# Allegro board 1119394-C028P02-36-DE2-C01_pcb.brd (continued)
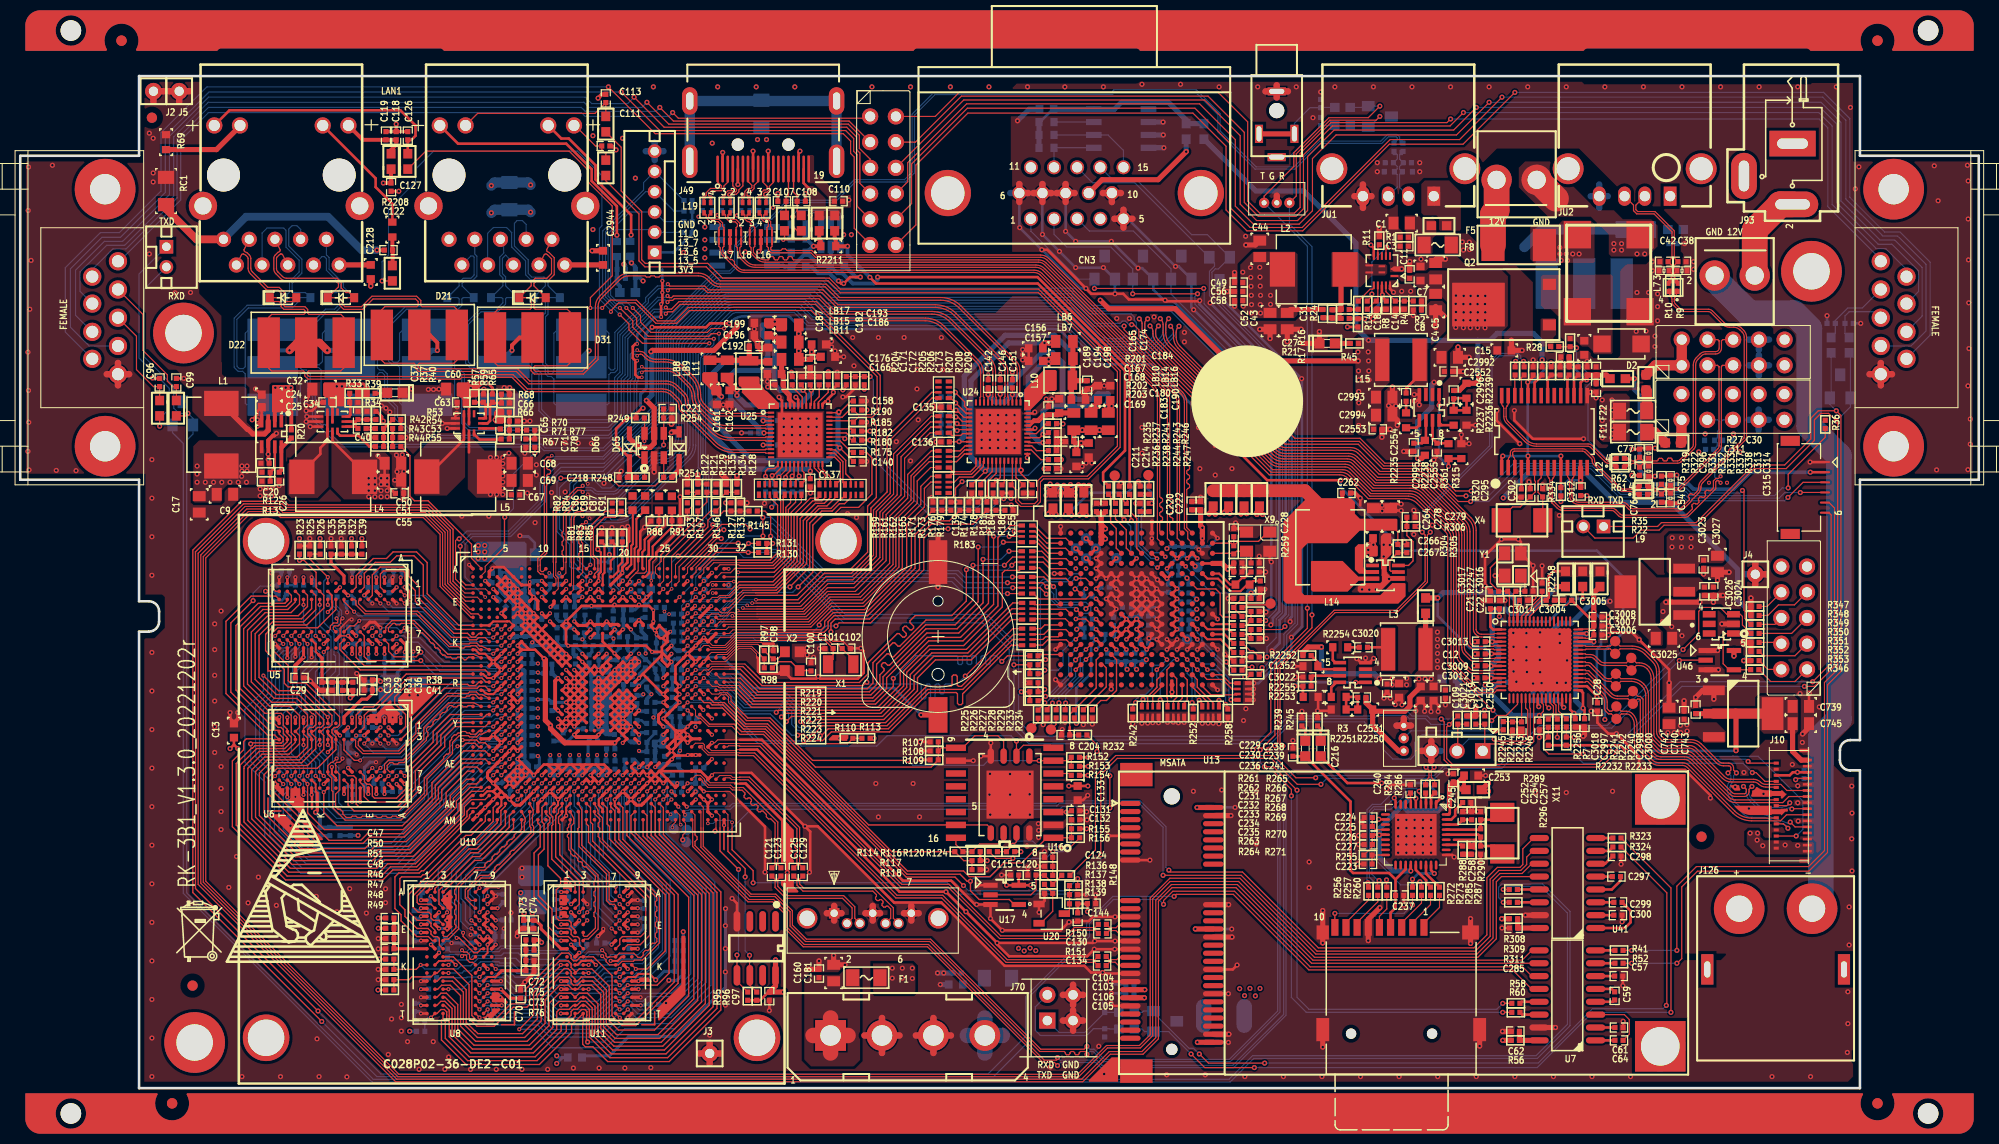
[diagram p0: board, top side]
## Routing (per net, layer and track width the routed paths; a pad name or vN(x,y) marks a point on that pad's centre or on a via; arc(x,y) is an arc through that point) (continued)
N18043628: length 4
  TOP w0.127: U32.T15 116.76,39.7 117.6,38.86 120.15,38.86 RN11.3
N18043630: length 4.1
  TOP w0.127: U32.R15 117.22,40.39 118.75,40.39 119.69,39.44 RN11.2
N18043632: length 2.8
  TOP w0.127: RN11.1 119.5,40.02 118.67,40.85 U32.R16
N18043702: length 6.9
  TOP w0.203: U32.E15 117.26,50.34 118.31,50.34 119.56,49.1 120.52,49.1 121.18,49.76 C236.1 121.78,50.11 C241.2
N18043704: length 4.8
  TOP w0.203: U32.E16 118.42,50.85 119.51,49.76 C236.2 120.66,50.39 120.9,50.39 121.51,51 C239.2
N18043752: length 6.2
  TOP w0.114: RN75.1 100.08,48.87 100.61,48.34
  TOP w0.127: U32.G4 105.25,48.34 100.61,48.34
N18120093: length 1.3
  TOP w0.254: U34.2 139.35,28.81 R286.2
N18120095: length 1.1
  TOP w0.254: U34.3 138.85,29.12 R284.2
N18120101: length 6.8
  TOP w0.254: U34.32 144.02,25.04 R296.2 C258.2 145.6,23.93 X11.2
N18120111: length 6.8
  TOP w0.254: U34.33 144.16,25.54 R296.1 C257.2 145.65,26.52 X11.1
N18120140: length 14.5
  TOP w0.254: D14.A 131.09,30.15 v2(134.47,30.15) ; v2(140.39,28.73) 139.85,28.19 U34.1
  BOTTOM w0.254: v2(140.39,28.73) 138.96,30.15 v2(134.47,30.15)
N18120142: length 1.6
  TOP w0.254: D14.C 128.45,35.48 R245.2
N18120148: length 1.6
  TOP w0.254: R239.2 126.92,35.46 D15.C
N18120154: length 2.7
  TOP w0.254: R287.1 138.85,21.2 U34.25
N18120156: length 15.2
  TOP w0.114: U34.4 138.35,28.94 138.18,29.11 v2(138.18,29.34) ; R256.1 133.12,19.92 v2(133.12,20.29)
  BOTTOM w0.114: v2(138.18,29.34) 137.92,29.59 135.94,29.59 134.39,28.04 133.56,28.04 133.02,27.51 133.02,20.61 133.12,20.52 v2(133.12,20.29)
N18120158: length 14.3
  TOP w0.114: R257.1 134.06,19.89 134.06,20.37 v2(134.21,20.52) ; v2(137.85,28.63) U34.5
  BOTTOM w0.114: v2(134.21,20.52) 134.11,20.52 133.5,21.13 133.5,27.3 133.76,27.56 135.38,27.56 136.6,28.78 136.6,29.11 136.83,29.34 137.41,29.34 137.85,28.91 v2(137.85,28.63)
N18120160: length 2.8
  TOP w0.254: R285.1 138.86,20.29 138.86,20.55 137.85,21.56 U34.23
N18120399: length 4.1
  TOP w0.254: U34.26 139.35,21.54 v2(139.67,21.21) ; v2(137.52,20.65) R272.1
  BOTTOM w0.254: v2(139.67,21.21) 138.07,21.21 v2(137.52,20.65)
N18120401: length 11
  TOP w0.114: R273.1 138.4,20.24 v2(138.25,20.4) ; v2(134.19,26.57) 134.82,26.57 U34.11
  BOTTOM w0.114: v2(134.19,26.57) 133.76,26.14 133.76,22.68 136.35,20.09 137.85,20.09 138.15,20.4 v2(138.25,20.4)
N18120403: length 1.7
  TOP w0.254: U34.30 142.35,24.04 R288.1
N18120405: length 13.2
  TOP w0.114: R260.1 134.95,19.89 v2(134.95,20.57) ; v2(135.71,28.68) 135.85,28.54 U34.9
  BOTTOM w0.114: v2(134.95,20.57) 134.44,20.07 134.04,20.07 133.26,20.84 133.26,27.41 133.66,27.8 134.84,27.8 v2(135.71,28.68)
N18122516: length 36.1
  TOP w0.254: U43.5 v2(148.92,62.46) ; 148.92,69.77 v2(148.89,69.75) ; 148.92,69.77 149.43,70.28 C296.1 ; 148.92,69.77 U43.24 ; v2(146.43,62.46) 146.32,62.35 U43.1 ; R334.1 U43.10 152.17,62.41 v2(152.17,62.46) ; R337.1 v2(153.37,71.27) R338.1 ; C313.1 154.71,70.41 v2(154.71,69.98) 154.37,69.98 154.12,69.72 U43.16 ; R332.2 v2(151.21,71.65)
  TOP w0.508: C313.1 C314.1 ; C314.1 C315.1 ; C314.1 156.67,70.46 LB31.1 ; C311.1 R337.1
  BOTTOM w0.254: v2(152.17,62.46) v2(148.92,62.46) ; v2(148.92,62.46) 148.89,62.48 v2(148.89,69.75) 149.3,69.75 v2(151.21,71.65) 151.59,71.27 v2(153.37,71.27) 154.66,69.98 v2(154.71,69.98) ; v2(148.92,62.46) v2(146.43,62.46)
N18122529: length 2.1
  TOP w0.254: R320.1 148.27,59.22 U43.4
N18122553: length 6.1
  TOP w0.254: R334.2 v2(152.17,57.96)
  TOP w0.508: U43.13 v2(154.12,60.07) 154.12,59.37 C312.1
  BOTTOM w0.254: v2(154.12,60.07) 152.93,60.07 152.17,59.31 v2(152.17,57.96)
N18122565: length 2.1
  TOP w0.114: R322.2 148.27,70.19 U43.25
N18122567: length 2
  TOP w0.114: R319.2 147.62,70.43 U43.26
N18122574: length 2.2
  TOP w0.254: U43.17 153.47,70.06 R338.2
N18122576: length 2.1
  TOP w0.254: U43.18 152.82,70.3 R337.2
N18122660: length 7.1
  TOP w0.114: U43.6 149.57,60.03 149.66,59.94 149.66,58.93 C295.2 148.16,57.43 147.4,57.43 146.29,56.32 X4.1
N18122662: length 5.5
  TOP w0.114: X4.2 150.39,58.4 C302.2 149.91,58.88 149.91,59.99 150.22,60.3 U43.7
N18122672: length 2.3
  TOP w0.254: R331.2 149.57,69.71 U43.23
N18122674: length 3.1
  TOP w0.254: R333.1 R332.1 150.87,70.12 U43.21
N18131694: length 2.1
  TOP w1.016: LB5.1 160.66,68.88 F22.2
N18131729: length 6.5
  TOP w1.016: J103.2 J103.1 161.51,71.42 LB5.2
N18131773: length 21.6
  TOP w0.115: L12.2 158.83,61.52 arc(158.96,61.55) 159.07,61.62 159.08,61.64 arc(159.19,61.71) 159.31,61.73 arc(159.31,61.73) 159.32,61.73 159.39,61.73 arc(159.4,61.73) 159.4,61.73 arc(159.57,61.7) 159.71,61.6 C76.1 160.23,61.66 arc(160.32,61.71) 160.41,61.73 arc(160.42,61.73) 160.42,61.73 160.45,61.73 arc(160.45,61.73) 160.46,61.73 arc(160.55,61.71) 160.64,61.66 D16.1 160.98,61.61 arc(161.12,61.7) 161.28,61.73 161.29,61.75 163.69,61.75 arc(163.89,61.79) 164.06,61.9 arc(164.07,61.91) 164.08,61.92 165.31,63.16 arc(165.44,63.34) 165.48,63.56 165.48,71.45 arc(165.54,71.76) 165.72,72.03 166.06,72.37 arc(166.26,72.5) 166.48,72.54 167.46,72.54 arc(167.87,72.71) 168.03,73.11 168.03,73.83 arc(168.03,73.83) 168.03,73.84 168.17,73.96 J103.6
N18131779: length 21.9
  TOP w0.115: J103.4 167.67,73.96 167.8,73.83 arc(167.8,73.83) 167.8,73.83 arc(167.8,73.83) 167.8,73.83 167.8,73.11 arc(167.7,72.87) 167.46,72.77 166.48,72.77 arc(166.17,72.71) 165.9,72.53 165.56,72.19 arc(165.33,71.85) 165.25,71.45 165.25,63.56 arc(165.23,63.43) 165.15,63.32 163.9,62.06 163.9,62.06 arc(163.8,62) 163.69,61.98 163.28,61.98 arc(163.19,62.01) 163.16,62.1 163.16,62.13 arc(163.12,62.22) 163.03,62.26 162.82,62.26 arc(162.74,62.22) 162.7,62.13 162.7,62.1 arc(162.66,62.01) 162.57,61.98 162.37,61.98 arc(162.28,62.01) 162.24,62.1 arc(162.2,62.19) 162.11,62.23 161.91,62.23 arc(161.82,62.19) 161.78,62.1 arc(161.74,62.01) 161.65,61.98 161.26,61.98 arc(161.11,62.01) 160.98,62.09 D17.1 160.64,62.04 arc(160.55,61.98) 160.45,61.96 160.42,61.96 arc(160.32,61.98) 160.23,62.04 C77.1 159.71,62.1 arc(159.56,62) 159.39,61.96 159.32,61.96 arc(159.19,61.99) 159.08,62.06 159.07,62.08 arc(158.96,62.15) 158.83,62.17 L12.3
N18172660: length 5.7
  TOP w0.114: R348.1 172.62,46.71 173.66,47.75 175.24,47.75 J108.7
N18172710: length 2.8
  TOP w0.114: J108.8 172.55,47.6 R347.1
N18173126: length 5.4
  TOP w0.114: J108.3 175.29,42.72 172.19,42.72 R352.1
N18173239: length 5.4
  TOP w0.114: J108.5 174.96,44.93 R350.1
N18173263: length 5.7
  TOP w0.114: R346.1 172.9,40.18 175.29,40.18 J108.1
N18173335: length 2.5
  TOP w0.114: J108.2 172.62,41.38 R353.1
N18173338: length 2.2
  TOP w0.114: J108.4 173.82,44.04 R351.1
N18173341: length 2.5
  TOP w0.114: J108.6 173.31,45.82 R349.1
N18220215: length 3.9
  TOP w0.127: R305.1 R304.1 136.04,52.91 135.28,52.15 135.28,51.18 135.38,51.08 136.04,51.08 U38.7
N18220289: length 6.2
  TOP w0.127: R306.2 136.96,54.61 137.57,54 137.57,52.1 137.12,51.65 U38.8
  TOP w0.254: R306.2 C279.1
N18223070: length 174.8
  TOP w0.095: 43.97,49.33 45.95,49.33 46.32,48.96 U10.D3
  TOP w0.114: v2(43.36,54.28) 43.18,54.28 43,54.1 43,50.3 43.97,49.33 ; v2(174.62,59.31) 174.62,60.66 178.28,64.31 R36.1 ; v2(123.04,67.06) 125.88,64.21 132.33,64.21 134.79,61.75 139.01,61.75 141.76,59 v2(143.31,59)
  BOTTOM w0.114: v2(143.31,59) 144.78,59 147.5,61.72 155.42,61.72 158.22,58.93 164.52,58.93 164.9,58.55 173.28,58.55 174.04,59.31 v2(174.62,59.31) ; v2(43.36,54.28) 44.12,55.04 48.22,55.04 51.33,58.16 51.33,59.82 53.25,61.73 57.67,61.73 63.29,67.35 63.29,74.64 68.71,80.06 79.43,80.06 80.44,79.04 104.16,79.04 105.86,77.34 113.84,77.34 122.99,68.19 122.99,67.11 v2(123.04,67.06)
N18387572: length 2.3
  TOP w1.016: LB4.1 161.42,64.82 F11.2
N18449434: length 12.4
  TOP w0.254: J11.12 35.1,89.89 35.1,89.03 36.75,87.38 R2208.2
N18450000: length 15.3
  TOP w0.254: v2(60.34,84.3) 60.34,86.27 56.82,89.79 56.82,91.19 54.18,93.83 53.44,93.83 J115.12
  BOTTOM w0.254: R64.2 60.25,84.21 v2(60.34,84.3)
N18450023: length 25
  TOP w0.254: v2(58.93,84.28) 58.93,87.14 56.44,89.63 56.44,90.81 53.92,93.32 43.24,93.32 J115.14
  BOTTOM w0.254: v2(58.93,84.28) R2210.2
N18473853: length 5.3
  TOP w0.114: J49.1 68.88,89.54 69.27,89.15 69.27,89.01 69.15,88.9 68.18,88.9 67.75,88.48 67.75,88.22 v1(67.54,88.01) L19.1
  BOTTOM w0.114: v1(67.54,88.01) 67.36,87.83 C85.2
N18473856: length 5.3
  TOP w0.114: L19.4 v1(68.19,88.01) 67.98,88.22 67.98,88.38 68.27,88.67 69.25,88.67 69.49,88.92 69.49,89.13 69.88,89.51 J49.3
  BOTTOM w0.114: C84.2 68.38,87.83 v1(68.19,88.01)
N18473859: length 4.6
  TOP w0.114: J49.7 71.88,89.59 72.26,89.21 72.26,88.99 72.14,88.87 71.84,88.87 71.56,88.6 71.56,88.22 v1(71.35,88.01) L18.1
  BOTTOM w0.114: C83.2 71.17,87.83 v1(71.35,88.01)
N18473862: length 4.5
  TOP w0.114: J49.9 72.88,89.59 72.49,89.2 72.49,88.89 72.24,88.65 71.93,88.65 71.79,88.51 71.79,88.22 v1(72,88.01) L18.4
  BOTTOM w0.114: C82.2 72.06,87.96 v1(72,88.01)
N18473877: length 4.7
  TOP w0.127: L28.1 75.64,86.39 C107.1 75.64,88.04 75.88,88.28 J49.15
N18473893: length 26.5
  BOTTOM w1.016: J49.20 J49.22 73.27,97.54 R63.1 73.13,97.54 J49.23 J49.21
N18475321: length 20.7
  BOTTOM w0.254: R158.1 100.71,95.45 101.98,96.72 C2318.2
  BOTTOM w0.508: C2318.2 U27.8 108.08,96.72 108.76,97.41 113.41,97.41 115.16,95.66 LB52.2 LB1.2 ; R2212.1 R160.1 R158.1
N18475325: length 3.9
  BOTTOM w0.114: R158.2 U27.7
N18477076: length 1.9
  BOTTOM w0.114: U58.7 R1119.2
N18596205: length 1.1
  TOP w0.254: R2235.2 C2554.1
N18596289: length 4.9
  TOP w0.254: 141.63,68.17 C2996.2 R2237.2 R2236.1 R2239.2 141.63,68.17
N18596299: length 3.2
  TOP w0.254: U79.6 138.84,64.11 138.46,63.73 C2995.1
N18596305: length 3.6
  TOP w0.254: U79.7 139.49,64.17 C2555.1 141.02,63.73 R361.1
N18596313: length 1.8
  TOP w0.254: U79.8 140.14,65.76 140.4,65.51 R2237.1
N18596319: length 3.8
  TOP w0.254: L15.1 138.22,70.48 136.88,69.14 C2554.2
N18596345: length 1.9
  TOP w0.254: U79.5 138.19,65.52 137.92,65.25 R2235.1
N18596351: length 9.5
  TOP w0.254: R315.1 R361.2 v2(141.07,61.44) ; U79.1 v2(140.14,67.48)
  BOTTOM w0.254: v2(141.07,61.44) 140.14,62.37 v2(140.14,67.48)
N18684413: length 2
  TOP w0.508: D65.1 65.07,61.06 R251.1
N18724589: length 4.7
  TOP w0.254: R2251.1 R2250.1 C2531.1 132.05,38.66 R3.2 R2251.1
N18724623: length 3.6
  TOP w0.254: R2252.2 128.17,42.09 C1352.1 128.45,41.4 U80.6
N18724629: length 2
  TOP w0.254: U80.8 129.99,40.1 129.49,39.6 R3.1
N18724631: length 3.8
  TOP w0.254: U80.7 127.64,40.75 C3022.1 R2255.1
N18724639: length 9
  TOP w0.254: U80.1 v2(131.91,40.1) ; v2(125.88,39.73) R2255.2 126.7,38.68 R2253.1
  BOTTOM w0.254: v2(125.88,39.73) 126.25,40.1 v2(131.91,40.1)
N18724649: length 1.1
  TOP w0.254: R2254.2 C3020.1
N18724653: length 2
  TOP w0.254: R2254.1 129.64,42.3 129.9,42.05 U80.5
N18724659: length 2.1
  TOP w0.254: L3.1 134.9,43.56 C3020.2
N18850314: length 7.6
  BOTTOM w0.114: J22.2 181.94,77.09 180.52,77.09 179.27,75.84 C94.1 179.27,74.57 L24.1
N18850334: length 6.2
  BOTTOM w0.114: J22.3 183.18,76.71 180.64,76.71 180.24,76.3 C95.1 180.24,74.57 L25.1
N18863826: length 6.6
  TOP w2.54: J125.1 145.82,86.72 145.47,86.36 F5.1
N18864912: length 7
  BOTTOM w0.114: J111.2 125.34,91.99 C90.1 129.82,95.1 L20.1
N18864923: length 9.2
  TOP w0.508: J111.1 J111.3
  BOTTOM w0.114: J111.3 125.85,95.32 127.41,96.88 C88.1 128.47,96.9 L21.1
N18865275: length 12.7
  BOTTOM w0.114: L23.1 107.62,5.84 107.59,5.87 C92.1 105.99,5.87 105.33,5.21 100.76,5.21 100.25,5.72 100.25,8.03 J124.2
N18865278: length 8.4
  BOTTOM w0.114: L22.1 107.14,7.49 C93.1 105.14,5.5 102.63,5.5 J124.1
N18911989: length 13.6
  TOP w0.114: L27.1 C99.1 15.06,69.32 14.53,69.85 14.53,70.48 12.12,72.9 12.12,76.45 J23.4
N18911996: length 10.2
  TOP w0.114: L26.1 C96.1 13.16,69.32 11.48,70.99 11.48,74.3 J23.3
N18943978: length 11.9
  TOP w0.115: L7.3 162.93,79.95 163.14,80.16 163.14,80.26 163.14,80.48 D7.1 163.12,81.03 163.12,81.31 C42.2 163.14,82.04 163.14,84.61 161.37,86.39 159.66,86.39 159.35,86.7 159.35,87.25 JU2.3
N18943986: length 11.9
  TOP w0.115: JU2.2 159.58,87.25 159.58,86.8 159.76,86.61 161.47,86.61 163.37,84.71 163.37,82.02 C38.2 163.35,81.28 163.35,81.06 D6.1 163.37,80.51 163.37,80.16 163.37,80.14 163.58,79.93 L7.2
N18943994: length 5.5
  BOTTOM w0.115: JU1.3 136,89.02 136,90.28 D9.1 136,90.83 136,91.07 C23.1 136.02,91.82 136.02,92.23 R6.2
N18944001: length 5.5
  BOTTOM w0.115: R5.2 136.25,92.23 136.25,91.8 C10.1 136.23,91.07 136.23,90.83 D8.1 136.23,90.28 136.23,89.02 JU1.2
N18946581: length 5.8
  BOTTOM w0.115: R18.2 167.31,62.23 167.65,62.57 167.65,62.74 C46.1 167.61,63.46 167.61,63.76 D11.1 167.56,64.21 167.64,64.28 167.64,64.92 167.78,65.06 167.78,65.92 167.67,66.04 J95.3
N18946589: length 5.8
  BOTTOM w0.115: R15.2 168.2,62.23 167.88,62.55 167.88,62.77 C45.1 167.84,63.51 167.84,63.71 D10.1 167.87,64.28 167.87,64.82 168.01,64.96 168.01,65.85 168.19,66.04 J95.5
N18947100: length 18.5
  TOP w0.115: J103.3 167.64,71.42 167.78,71.29 arc(167.78,71.29) 167.78,71.28 167.8,71.28 arc(167.8,71.27) 167.8,71.26 167.8,63.46 arc(167.77,63.31) 167.68,63.18 163.92,59.42 arc(163.81,59.35) 163.68,59.32 163.41,59.32 arc(163.25,59.35) 163.12,59.44 D13.1 162.73,59.31 162.46,59.31 C75.1 161.67,59.23 161.47,59.23 161.14,59.56 R35.2
N18947108: length 18.9
  TOP w0.115: J103.5 168.14,71.42 168.06,71.35 arc(168.03,71.31) 168.02,71.26 168.02,63.46 arc(167.98,63.22) 167.84,63.01 164.09,59.26 arc(163.9,59.14) 163.68,59.09 163.49,59.09 arc(163.31,59.06) 163.15,58.95 D12.1 162.76,59.03 162.43,59.03 C54.1 161.8,59 161.47,59 161.14,58.67 R22.2
N18949083: length 3.1
  TOP w0.508: J11.1 31.52,81.34 C2128.2
N18949421: length 3.8
  TOP w0.508: C2944.2 53.79,81.34 J115.1
N18988802: length 4.5
  TOP w0.114: L16.2 v1(73.65,88.01) 73.44,88.22 73.44,88.4 73.56,88.52 73.75,88.52 74,88.77 74,89.1 74.38,89.49 J49.12
  BOTTOM w0.114: v1(73.65,88.01) 73.84,87.83 C78.2
N18988909: length 4.4
  TOP w0.114: J49.10 73.38,89.49 73.77,89.1 73.77,88.86 73.65,88.75 73.46,88.75 73.22,88.5 73.22,88.22 v1(73,88.01) L16.3
  BOTTOM w0.114: v1(73,88.01) 72.95,87.96 C79.2
N18988998: length 5.2
  TOP w0.114: J49.6 71.38,89.16 70.98,88.75 70.98,88.57 70.73,88.32 70.36,88.32 70.23,88.45 70,88.45 69.89,88.33 69.89,88.22 v1(70.1,88.01) L17.2
  BOTTOM w0.114: v1(70.1,88.01) 70.28,87.83 C80.2
N18989021: length 5.2
  TOP w0.114: J49.4 70.38,89.16 70.75,88.8 70.75,88.66 70.63,88.55 70.45,88.55 70.33,88.68 69.91,88.68 69.66,88.43 69.66,88.22 v1(69.45,88.01) L17.3
  BOTTOM w0.114: v1(69.45,88.01) 69.27,87.83 C81.2
N18993462: length 2.3
  TOP w1.016: LB4.2 164.08,63.83 J95.1
N18998825: length 4.9
  TOP w0.127: J49.16 76.38,88.52 76.73,88.16 C108.1 76.73,86.64 L29.2
N19001477: length 2.6
  TOP w0.254: 78.16,88.52 78.16,88.65 77.38,89.42 J49.18
N19002478: length 5.1
  TOP w0.114: J115.11 54.79,95.12 56.82,93.09 C111.1 57.43,92.74 57.84,92.33 LB13.2
N19002508: length 16.2
  TOP w0.114: LB21.2 C113.1 56.77,96.32 45.18,96.32 J115.13
N19002660: length 3.7
  BOTTOM w0.381: LB27.2 59.23,79.25 58.95,79.53 C116.1 C117.1 58.95,82.14 R2210.1
N19003815: length 8.3
  TOP w0.508: J11.13 21.71,95.06 19.38,92.74 R69.2
N19004060: length 6.9
  TOP w0.381: J11.11 33.84,93.7 C119.1 C118.1 37.13,93.22 36.63,92.71 LB28.2
N19004132: length 2.8
  TOP w0.381: LB29.2 36.78,81.31 C122.1 36.75,82.83 R2208.1
N19004143: length 24.4
  TOP w0.254: LB30.2 C126.1 38.63,93.7 39.04,94.11 39.04,95.12 37.54,96.62 20.67,96.62 J11.14
N180422580: length 3
  TOP w0.127: R262.1 120.85,47.5 121.11,47.75 123.37,47.75 TP28.1

## Copper pours and planes (outline as drawn; the poured copper is in the pictures)
1V5 on BOTTOM (solid shape): 58.22,31.72 58.22,30.94 57.99,30.71 57.05,30.71 56.62,31.14 57.81,31.14 57.81,31.39 57.05,31.39 57.05,31.14 56.62,31.14 56.46,31.29 56.18,31.29 55.6,30.71 54.66,30.71 54.23,31.14 55.14,31.14 55.14,31.39 54.38,31.39 54.38,31.14 54.23,31.14 54.08,31.29 53.77,31.29 53.19,30.71 52.25,30.71 52.1,30.86 52.1,31.14 53.11,31.14 53.11,31.39 52.48,31.39 52.48,31.14 52.1,31.14 52.1,31.7 52.17,31.78 58.17,31.78
1V5 on BOTTOM (solid shape): 51.97,19.33 51.97,17.3 51.84,17.17 50.23,17.17 50.23,17.3 49.78,17.74 49.34,17.3 49.34,17.26 49.31,17.21 49.25,17.22 49.17,17.3 49.17,19.46 49.3,19.58 51.71,19.58
1V5 on BOTTOM (solid shape): 37.55,40.72 37.55,38.31 37.43,38.18 35.65,38.18 35.39,38.44 35.39,39.69 35.41,39.72 35.44,39.74 35.59,39.74 36.03,40.18 35.59,40.63 35.55,40.63 35.5,40.66 35.51,40.71 35.65,40.85 37.43,40.85
1V5 on BOTTOM (solid shape): 49.99,41.33 49.99,32.51 50.44,32.05 50.44,31.5 50.6,31.34 50.6,31.34 50.91,31.03 50.91,30.75 50.75,30.58 49.86,30.58 48.97,29.69 48.92,29.69 48.69,29.92 48.46,29.92 48.4,29.98 48.35,29.92 48.23,29.92 48.13,30.02 48.13,30.16 48.17,30.19 48.13,30.23 48.13,30.25 49.17,30.25 49.17,30.51 48.79,30.51 48.79,30.25 48.13,30.25 48.13,30.43 47.93,30.63 48.67,30.63 48.67,30.89 48.29,30.89 48.29,30.63 47.93,30.63 47.88,30.68 47.88,30.76 48.51,31.39 50.19,31.39 50.19,31.65 49.81,31.65 49.81,31.39 48.51,31.39 48.9,31.78 48.9,32.41 49.68,32.41 49.68,32.66 49.3,32.66 49.3,32.41 48.9,32.41 48.9,32.61 49.45,33.17 49.45,33.53 48.92,34.06 49.68,34.06 49.68,34.82 49.3,34.82 49.3,34.06 48.92,34.06 48.92,35.03 49.32,35.43 49.35,35.45 49.39,35.49 49.48,35.59 49.48,35.86 48.92,36.42 48.92,36.73 49.68,36.73 49.68,37.49 49.3,37.49 49.3,36.73 48.92,36.73 48.92,37.41 49.48,37.97 49.48,38.28 49.25,38.51 49.68,38.51 49.68,39.14 49.43,39.14 49.43,38.51 49.25,38.51 48.92,38.84 48.92,39.78 49.68,39.78 49.68,40.03 49.43,40.03 49.43,39.78 48.92,39.78 48.92,39.8 49.48,40.36 49.48,40.69 49.12,41.05 49.68,41.05 49.68,41.3 49.3,41.3 49.3,41.05 49.12,41.05 48.92,41.25 48.92,41.4 49.05,41.53 49.78,41.53
1V5 on TOP: 17.22,57.86 17.09,57.99 17.09,63.42 17.68,64.01 24,64.01 24.16,63.86 24.16,60.68 24.08,60.6 23.6,60.6 23.32,60.32 23.32,59.72 23.22,59.61 20.47,59.61 19.94,59.08 19.94,58.04 19.76,57.86
1V5 on PWR03: 34,2.25 32.28,3.96 32.28,12.98 20.73,24.54 20.73,47.22 20.68,47.22 17.12,50.77 17.12,61.8 22.83,61.8 29.74,54.89 36.86,54.89 45.94,45.81 48.09,45.81 49.81,44.09 49.81,33.17 50.83,32.16 59.08,32.16 59.46,31.78 59.46,24.41 65.56,18.31 65.56,7.26 60.54,2.25
1V8 on TOP: 175.62,38.38 175.62,35.28 175.36,35.03 172.21,35.03 171.63,35.61 171.63,38.53 171.88,38.79 175.21,38.79
1V8_DVI on TOP (solid shape): 131.83,57.89 131.83,56.74 132.31,56.26 135.94,56.26 136.02,56.18 136.02,55.14 135.97,55.09 132.31,55.09 131.06,53.85 127.15,53.85 126.57,53.26 126.57,48.97 126.82,48.72 134.34,48.72 135.51,49.89 136.78,49.89 136.83,49.83 136.83,48.6 136.11,47.88 125.07,47.88 124.76,48.18 124.76,55.98 127.08,58.29 131.42,58.29
3V3 on TOP (solid shape): 26.97,69.34 26.97,67.06 26.7,66.78 24.92,66.78 24.87,66.83 24.87,69.39 24.94,69.47 26.85,69.47
3V3 on TOP (solid shape): 134.09,53.52 134.09,52.63 133.98,52.53 132.89,52.53 132.66,52.3 132.66,51.46 132.73,51.39 132.73,51.27 132.86,51.27 132.94,51.18 134.19,51.18 134.21,51.16 134.21,50.85 134.19,50.83 132.24,50.83 131.83,51.24 131.83,53.42 132.16,53.75 133.86,53.75
3V3 on TOP (solid shape): 34.52,69.16 34.52,68.33 34.44,68.25 33.17,68.25 33.07,68.35 33.07,68.96 32.94,69.09 32.82,69.11 32.18,69.11 32.05,68.99 32.05,67.44 31.98,67.37 31.01,67.37 31.01,67.35 30.99,67.34 30.66,67.34 30.66,67.37 30.55,67.37 30.4,67.51 30.4,68.22 30.15,68.22 29.92,68.45 29.92,69.6 30.02,69.7 30.02,69.72 33.96,69.72
3V3 on TOP (solid shape): 46.28,69.72 46.28,69.6 46.15,69.47 45.62,69.47 45.36,69.22 45.36,69.16 45.35,69.11 45.34,69.04 45.29,69.04 45.29,68.45 45.09,68.25 44.6,68.25 44.58,68.22 44.4,68.22 44.4,67.39 44.25,67.23 43.79,67.23 43.69,67.34 43.69,68.02 43.61,68.1 43.61,68.22 43.48,68.22 43.38,68.33 43.18,68.33 43.1,68.4 43.1,69.6 43.23,69.72 44.12,69.72 44.25,69.85 46.15,69.85
3V3 on TOP: 125.91,82.65 121.79,82.65 120.5,81.36 120.5,77.19 121.62,76.07 125.83,76.07 126.16,76.4 126.16,82.4
3V3 on TOP: 104.09,26.77 103.4,26.77 103.05,26.42 99.7,26.42 99.09,25.81 99.09,23.88 99.31,23.65 99.95,23.65 100.94,24.64 100.94,25.25 101.19,25.5 102.92,25.5 103.56,26.14 104.06,26.14 104.17,26.24 104.17,26.7
3V3 on BOTTOM: 120.5,5.44 120.07,5.87 120.07,9.91 120.29,10.13 122.58,10.13 122.76,9.96 122.76,6.83 121.36,5.44
3V3 on PWR03: 17.68,99.44 17.68,79.6 33.91,79.6 33.91,99.87 39.95,99.87 39.95,79.6 56.18,79.6 56.18,99.31 88.32,99.31 88.44,99.19 181.15,99.19 181.15,91.57 192.84,91.57 192.84,60.71 181.03,60.71 181.03,35.81 179.25,34.04 179.25,31.5 180.64,30.1 180.64,9.91 181.03,9.52 181.03,0.63 12.5,0.63 12.5,44.45 13.39,44.45 14.27,45.34 14.27,47.75 13.39,48.64 12.37,48.64 12.24,48.77 12.24,60.71 0.56,60.71 0.56,91.57 12.37,91.57 12.37,99.44 ; 4 cut-outs
3V3_3G4G on BOTTOM: 116.15,4.19 114.53,5.82 114.53,8.23 114.15,8.61 110.29,8.61 109.73,9.17 109.73,10.49 109.86,10.62 112.95,10.62 114.38,12.04 114.38,26.82 115.72,28.17 117.48,28.17 117.68,27.97 117.68,4.29 117.58,4.19
5V0 on TOP: 143.9,81.92 143.9,83.53 142.98,84.46 140.89,84.46 140.64,84.2 140.64,82.55 140.77,82.42 142.04,82.42 142.67,81.79 143.78,81.79
5V0 on TOP: 158.98,68.28 158.98,64.03 158.8,63.86 156.34,63.86 155.96,64.24 155.96,68.07 156.51,68.63 158.62,68.63
5V0 on TOP: 135.13,74.22 132.16,74.22 131.88,73.94 131.88,64.87 132.31,64.44 133.68,64.44 133.96,64.72 133.96,65.35 134.47,65.86 134.47,68.96 135.25,69.75 135.25,74.09
5V0 on BOTTOM: 144.86,83.85 149.15,83.85 149.4,83.59 149.4,76.84 149.66,76.58 156.41,76.58 158.42,74.57 158.42,64.24 157.2,63.02 156.06,63.02 155.07,64.01 155.07,69.93 152.72,72.28 152.7,72.26 151.31,72.26 150.8,71.76 150.29,71.76 149.91,72.14 149.91,72.52 146.49,75.93 146.49,78.5 144.83,80.16 144.83,83.82
5V0 on BOTTOM: 97.26,8.81 97.26,13.54 97.89,14.17 100.33,14.17 100.53,13.97 100.53,10.72 98.55,8.74 97.33,8.74
5V0 on BOTTOM: 131.5,73.74 131.5,71.68 131.52,71.65 131.52,65.51 131.75,65.28 133.91,65.28 134.29,65.66 134.29,69.09 136.6,71.4 137.19,71.4 140.79,75.01 140.79,79.12 142.77,81.1 146.68,81.1 147.14,81.56 147.14,83.52 146.81,83.85 141.6,83.85
5V0 on PWR03: 98.63,12.52 98.42,12.73 98.42,14.48 99.62,15.67 104.55,15.67 105.99,17.12 105.99,32.03 107.49,33.53 119.56,33.53 124.28,38.25 124.28,65.91 131.55,73.18 133.48,73.18 133.96,72.69 133.96,66.22 129.67,61.93 129.67,34.32 125.37,30.02 112.57,30.02 110.67,28.12 110.67,17.37 105.82,12.52
12V0 on TOP: 132.23,40.51 133.5,40.51 134.42,39.6 137.31,39.6 137.44,39.73 137.44,40.46 136.96,40.94 132.23,40.94 132.18,40.89 132.18,40.56
12V0 on TOP: 146.94,75.31 146.94,80.21 146.35,80.8 139.24,80.8 138.96,80.52 137.85,80.52 137.69,80.37 135.33,80.37 135.31,80.34 135.31,80.11 135.33,80.09 136.04,80.09 136.42,79.71 137.46,79.71 138.13,79.04 138.13,77.52 138.18,77.47 138.63,77.47 139.37,78.21 140.39,78.21 141.05,77.55 141.05,74.68 139.29,72.92 139.29,67.84 139.37,67.77 139.6,67.77 139.67,67.84 139.67,69.09 140.97,70.38 140.97,72.77 141.73,73.53 144.35,73.53 145.44,72.44 146.25,72.44 146.33,72.52 146.33,74.7
12V0 on TOP: 84.48,9.35 84.23,9.6 84.23,12.32 88.11,12.32 88.42,12.01 88.42,9.58 88.19,9.35
12V0 on PWR03: 85.8,8.74 85.5,9.04 85.5,12.45 86.18,13.13 88.65,13.13 89.51,12.27 106.17,12.27 111.66,17.75 111.66,21.41 117.53,27.28 123.6,27.28 130.35,34.04 130.35,42.95 130.25,43.05 130.25,46.81 140.97,57.53 140.97,78.59 141.48,79.1 146.25,79.1 147.29,78.05 147.29,57.73 137.24,47.68 137.24,30.2 115.77,8.74
AVDD33_SATA01 on BOTTOM (solid shape): 63.83,35 63.83,33.66 63.73,33.55 63.14,33.55 63.02,33.68 62.43,33.68 62.4,33.69 62.39,33.7 62.38,33.93 63.14,33.93 63.14,34.19 62.76,34.19 62.76,33.93 62.38,33.93 62.38,34.32 62.51,34.44 63.02,34.44 63.17,34.59 63.17,34.92 63.37,35.13 63.7,35.13
DVDD_CORE on TOP (solid shape): 47.8,67.06 47.8,65.79 47.68,65.66 46.91,65.66 46.79,65.79 46.79,66.8 47.17,67.18 47.68,67.18
DVDD_CORE on BOTTOM (solid shape): 60.07,42.7 60.13,42.67 60.17,42.64 60.22,42.62 60.27,42.61 60.32,42.6 60.37,42.61 60.42,42.62 60.47,42.64 60.51,42.67 60.57,42.7 60.89,42.7 60.91,42.68 60.95,42.65 60.99,42.63 61.02,42.62 61.34,42.3 61.34,41.67 60.84,41.17 60.84,40.82 60.71,40.69 60.71,40.44 60.66,40.39 59.36,40.39 59.26,40.28 59.18,40.28 59.18,40.21 58.45,39.47 58.45,37.62 58.12,37.29 58.12,35.79 58.14,35.76 58.14,35.56 58.19,35.55 58.21,35.54 58.22,35.51 58.22,34.82 58.17,34.77 57.76,34.77 57.28,35.26 56.31,35.26 56.21,35.36 56.21,35.46 56.92,35.46 56.92,35.71 57.68,35.71 57.68,35.97 57.3,35.97 57.3,35.71 56.54,35.71 56.54,35.46 56.21,35.46 56.21,36.22 56.92,36.22 56.92,36.47 57.68,36.47 57.68,36.73 57.3,36.73 57.3,36.47 56.54,36.47 56.54,36.22 56.21,36.22 56.21,36.98 57.68,36.98 57.68,37.24 57.3,37.24 57.3,36.98 56.21,36.98 56.21,37.11 56.92,37.11 56.92,37.36 56.54,37.36 56.54,37.11 56.21,37.11 56.21,38 56.92,38 56.92,38.25 56.54,38.25 56.54,38 56.21,38 56.21,38.89 56.92,38.89 56.92,39.14 56.54,39.14 56.54,38.89 56.21,38.89 56.21,39.78 56.92,39.78 56.92,40.03 56.54,40.03 56.54,39.78 56.21,39.78 56.21,40.41 56.92,40.41 56.92,40.67 56.54,40.67 56.54,40.41 56.21,40.41 56.21,41.05 56.22,41.07 56.23,41.09 56.26,41.1 56.72,41.1 57,40.82 57.33,40.82 57.36,40.81 57.37,40.8 57.38,40.7 58.5,40.7 58.5,40.79 60.35,40.79 60.35,41.17 60.1,41.17 60.1,40.79 59.46,40.79 59.46,41.17 59.21,41.17 59.21,40.79 58.5,40.79 58.5,41.4 58.78,41.68 59.03,41.68 59.26,41.91 59.31,41.9 59.33,41.89 59.33,41.81 60.1,41.81 60.1,42.19 59.84,42.19 59.84,41.81 59.59,41.81 59.59,42.19 59.36,42.2 59.34,42.21 59.33,42.47 59.56,42.7
DVDD_CORE on TOP: 44.2,64.39 44.2,59.21 45.06,58.34 48.13,58.34 48.2,58.41 48.68,58.41 48.69,58.42 48.69,59.18 49.07,59.56 49.07,62.23 48.82,62.48 48.82,62.53 48.36,62.99 45.87,62.99 44.48,64.39
DVDD_CORE on PWR03: 46.89,54.89 46.89,47.78 50.32,44.35 50.32,36.35 51.4,35.27 61.81,35.27 62.76,36.22 62.76,38 60.73,40.03 60.73,45.62 58.45,47.9 58.45,52.86 53.49,57.81 53.49,61.37 51.84,63.02 45.49,63.02 44.6,62.13 44.6,57.18
DVDD_CPU on BOTTOM (solid shape): 50.01,53.8 50.01,48.79 50.27,48.54 50.27,48.21 50.37,48.11 50.37,47.27 50.52,47.12 50.8,47.12 50.95,46.96 50.95,45.85 51.03,45.77 51.03,45.24 50.98,45.19 48.96,45.19 48.65,45.49 50.7,45.49 50.7,45.87 50.44,45.87 50.44,45.49 49.81,45.49 49.81,45.87 49.56,45.87 49.56,45.49 49.3,45.49 49.3,45.87 49.05,45.87 49.05,45.49 48.65,45.49 48.53,45.62 48.53,46 50.57,46 50.57,46.25 50.19,46.25 50.19,46 48.53,46 48.53,46.51 50.57,46.51 50.57,46.76 50.19,46.76 50.19,46.51 48.53,46.51 48.53,47.14 50.06,47.14 50.06,47.4 49.68,47.4 49.68,47.14 48.53,47.14 48.53,47.65 50.06,47.65 50.06,47.9 49.68,47.9 49.68,47.65 48.53,47.65 48.53,47.76 48.26,48.03 48.92,48.03 48.92,48.29 48.67,48.29 48.67,48.03 48.26,48.03 47.88,48.41 48.67,48.41 48.67,48.67 48.41,48.67 48.41,48.41 47.88,48.41 47.62,48.67 48.29,48.67 48.29,48.79 49.68,48.79 49.68,49.05 49.3,49.05 49.3,48.79 48.29,48.79 48.29,48.92 48.03,48.92 48.03,48.67 47.62,48.67 47.24,49.05 48.03,49.05 48.03,49.3 49.68,49.3 49.68,49.56 49.3,49.56 49.3,49.3 47.78,49.3 47.78,49.05 47.24,49.05 47.17,49.12 47.17,49.56 47.9,49.56 47.9,49.81 47.52,49.81 47.52,49.56 47.17,49.56 47.17,50.06 49.68,50.06 49.68,50.32 49.3,50.32 49.3,50.06 47.9,50.06 47.9,50.32 47.52,50.32 47.52,50.06 47.17,50.06 47.17,50.57 47.9,50.57 47.9,50.83 47.52,50.83 47.52,50.57 47.17,50.57 47.17,51.08 47.9,51.08 47.9,51.33 47.52,51.33 47.52,51.08 47.17,51.08 47.17,51.46 46.63,51.99 45.09,51.99 44.73,52.35 44.73,53.62 45.11,54 49.81,54
DVDD_CPU on TOP: 30.73,64.49 30.73,59.41 31.98,58.17 36.88,58.17 37.29,58.57 37.29,58.65 36.45,59.49 36.45,62.41 36.04,62.81 32.64,62.81 30.96,64.49
DVDD_CPU on PWR03: 34.16,57.56 34.7,57.56 40.28,51.97 45.87,51.97 46.38,52.48 46.38,54.64 45.87,55.14 42.19,55.14 36.66,60.67 34.16,60.71
GND on TOP (solid shape): 108.44,0.63 105.64,0.63 105.54,0.7 105.57,0.81 107.8,3.04 108.44,3.04
GND on TOP (solid shape): 29.86,24.67 29.88,24.56 29.79,24.5 29.54,24.5 27.66,26.39 27.63,26.5 27.73,26.56 27.97,26.56
GND on TOP (solid shape): 28.98,24.16 29,24.05 28.91,23.99 27.76,23.99 24.86,26.89 24.84,27 24.93,27.06 25.88,27.06 25.98,27.16
GND on TOP (solid shape): 41.26,39.59 41.36,39.52 41.33,39.41 38.55,36.63 38.44,36.61 38.38,36.7 38.38,37.05 37.3,38.13 37.3,38.5 38.38,39.59
GND on TOP (solid shape): 143.79,23.57 143.58,23.57 143.57,23.58 143.47,23.61 143.36,23.62 142.93,23.62 142.93,24.38 142.55,24.38 142.51,24.43 141.6,24.43 141.52,24.46 141.49,24.53 141.49,24.56 141.52,24.63 141.6,24.66 143.79,24.66
GND on TOP (solid shape): 48.18,8.5 47.98,8.3 47.9,8.27 47.82,8.32 47.71,8.44 47.55,8.48 46.69,8.48 46.58,8.51 46.58,9.45 46.69,9.47 47.21,9.47
GND on TOP (solid shape): 65.66,15.04 65.7,14.96 65.7,9.25 63.17,6.71 63.06,6.69 62.99,6.79 62.99,7.68 62.87,7.81 65.3,10.24 65.3,14.95 65.33,15.03 65.42,15.05 65.5,15.05 65.58,15.06
GND on TOP (solid shape): 135.41,54.74 135.41,52.72 134.96,52.28 134.96,51.05 135.03,50.99 135.03,50.88 135.28,50.62 135.31,50.6 136.73,50.6 136.78,50.55 136.78,50.16 136.75,50.14 135.4,50.14 135.38,50.14 135.32,50.08 135.28,50.08 135.28,50.04 134.21,48.97 132.28,48.97 132.11,49.15 132.11,49.5 132.49,49.89 134.32,49.89 134.4,49.97 134.41,49.97 134.41,49.98 134.49,50.06 134.49,50.63 134.42,50.7 134.47,50.75 134.47,51.26 134.41,51.32 134.41,52.03 134.39,52.03 134.39,54.53 134.67,54.81 135.33,54.81
GND on TOP (solid shape): 27.66,29.56 27.67,29.52 27.67,28.86 27.76,28.77 27.85,28.71 27.96,28.68 28.03,28.65 28.06,28.58 28.06,27.2 27.56,27.2 26.44,28.32 26.42,28.41 26.48,28.48 26.63,28.6 26.68,28.77 26.68,29.52 26.7,29.56 26.71,29.64 27.64,29.64
